# Altium PCB UCL-CPUM-H7-2.PcbDoc (part 2 of 4)
Units mm, origin at the board's own origin, x right, y up, seen from the top; angles counter-clockwise.
Board outline 42 x 53 mm, 6 copper layers (Top Layer, L2_GND, L3_VCC, L4_Sig, L5_GND, Bottom Layer), stack 1.657 mm thick; 92 components, 176 nets, 471 pads, 255 vias.
Unrouted connection lines stored in the file: 34.
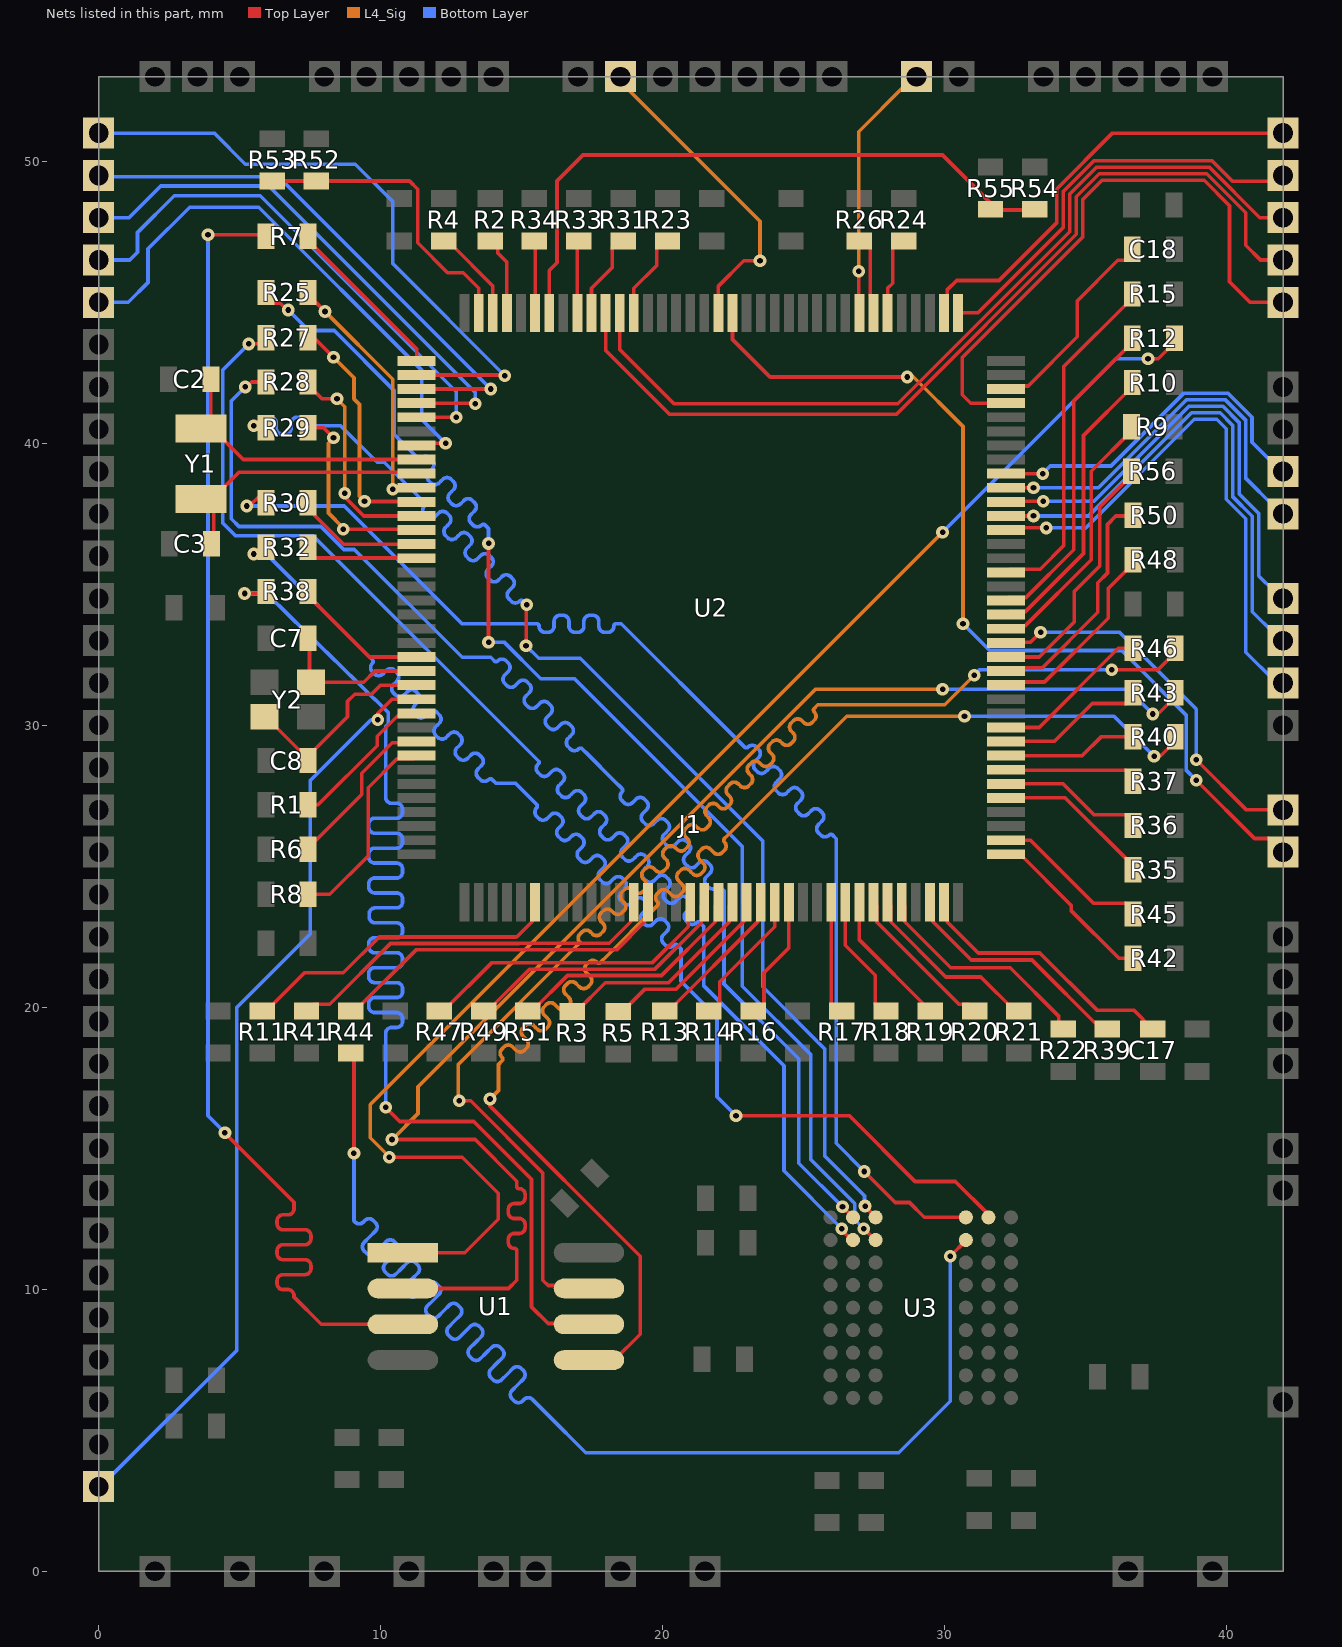
[diagram p6: the nets of this part, all layers, seen from the top]

## Via types
v1: diameter 0.4/0.45/0.4 (per signal layer), hole 0.2, Top Layer to Bottom Layer, 253 vias
v2: diameter 0.8, hole 0.4, Top Layer to Bottom Layer, 2 vias

## Nets (pads, with @x,y where several pads share a name; then routed paths per layer and width w, separated by ;. In a path a pad name is that pad's centre, name@x,y a point inside that pad or via, vN(x,y) a via of type N, cw(c..) or ccw(c..) an arc to the next point about the centre after c; other vN are vias at no path point) (continued)
GPIO5: J1.34 U2.96 | length 19.4
  Top Layer w0.13: U2.96@32.175,36.925 32.2,36.925 32.275,37 v1(33.6,37)
  Bottom Layer w0.13: v1(33.6,37) 33.6,36.975 33.65,36.925 33.65,36.948 33.702,37 35.001,37 38.851,40.85 39.65,40.85 39.98,40.52 39.98,38.02 40.68,37.32 40.68,32.595 41.685,31.59 J1.34@41.685,31.5
GPIO6: J1.33 U2.97 | length 18
  Top Layer w0.13: U2.97@32.175,37.425 v1(33.15,37.425)
  Bottom Layer w0.13: v1(33.15,37.425) 35.101,37.425 38.756,41.08 39.77,41.08 40.21,40.64 40.21,38.116 40.91,37.416 40.91,34.028 41.685,33.253 J1.33@41.685,32.95
GPIO7: J1.32 U2.98 | length 16.7
  Top Layer w0.13: U2.98@32.175,37.925 32.275,37.925 32.3,37.95 v1(33.5,37.95)
  Bottom Layer w0.13: v1(33.5,37.95) 35.301,37.95 38.661,41.31 39.865,41.31 40.44,40.735 40.44,38.211 41.14,37.511 41.14,35.298 41.685,34.753 J1.32@41.685,34.5
GPIO8: J1.83 U2.7 | length 19.7
  Top Layer w0.13: U2.7@11.275,39.925 11.275,39.875 11.3,39.85 11.45,40 v1(12.3,40)
  Bottom Layer w0.13: J1.83@0.315,45 1.05,45 1.75,45.7 1.75,46.9 3.225,48.375 5.675,48.375 11.45,42.6 11.45,40.85 v1(12.3,40)
GPIO9: J1.16 U2.116 | length 9.2
  Top Layer w0.13: v1(26.95,46.1) 26.95,44.625 U2.116@26.975,44.625
  L4_Sig w0.13: v1(26.95,46.1) 26.95,51.05 28.585,52.685 J1.16@29,52.685
GPIO10: J1.87 U2.2 | length 22.1
  Top Layer w0.13: U2.2@11.275,42.425 14.375,42.425 v1(14.4,42.4)
  Bottom Layer w0.13: J1.87@0.315,51 4.1,51 5.2,49.9 9.1,49.9 10.425,48.575 10.425,46.375 v1(14.4,42.4)
GPIO11: J1.86 U2.3 | length 19.3
  Top Layer w0.13: U2.3@11.275,41.925 v1(13.9,41.925)
  Bottom Layer w0.13: J1.86@0.315,49.5 0.365,49.45 6.375,49.45 v1(13.9,41.925)
GPIO12: J1.85 U2.4 | length 19
  Top Layer w0.13: U2.4@11.275,41.425 13.325,41.425 v1(13.35,41.4)
  Bottom Layer w0.13: J1.85@0.315,48 1.075,48 2.2,49.125 6.025,49.125 13.35,41.8 v1(13.35,41.4)
GPIO13: J1.84 U2.5 | length 18.9
  Top Layer w0.13: U2.5@11.275,40.925 11.25,40.925 v1(12.675,40.925)
  Bottom Layer w0.13: J1.84@0.315,46.5 1.1,46.5 1.375,46.775 1.375,47.475 2.675,48.775 5.725,48.775 12.675,41.825 v1(12.675,40.925)
GPIO14: J1.37 U2.125 | length 33.3
  Top Layer w0.13: U2.125@22.475,44.625 22.475,43.683 23.808,42.35 v1(28.675,42.35) ; v1(38.925,28.05) 40.99,25.985 41.515,25.985 J1.37@42,25.5
  L4_Sig w0.13: v1(28.675,42.35) 28.717,42.392 28.842,42.392 28.85,42.4 30.65,40.6 v1(30.65,33.6)
  Bottom Layer w0.13: v1(30.65,33.6) 31.6,32.65 36.275,32.65 38.56,30.365 38.56,28.415 v1(38.925,28.05)
GPIO15: J1.36 U2.88 | length 13.4
  Top Layer w0.13: U2.88@32.175,32.925 32.175,32.9 32.22,32.945 33.045,32.945 v1(33.4,33.3) ; v1(38.925,28.775) 40.7,27 J1.36@41.685,27
  Bottom Layer w0.13: v1(33.4,33.3) 36.2,33.3 38.925,30.575 v1(38.925,28.775)
GPIO16: J1.10 U2.126 | length 11.6
  Top Layer w0.13: U2.126@21.975,44.625 21.975,45.575 22.875,46.475 v1(23.45,46.475)
  L4_Sig w0.13: J1.10@18.5,53 18.5,52.685 18.64,52.685 23.45,47.875 v1(23.45,46.475) 23.45,46.45 v1@23.4,46.4
I2C3_SCL: J1.30 U2.100 | length 12.7
  Top Layer w0.13: U2.100@32.175,38.925 32.35,38.925 v1(33.475,38.925)
  Bottom Layer w0.13: v1(33.475,38.925) 33.745,39.195 35.895,39.195 38.47,41.77 40.056,41.77 40.9,40.926 40.9,40.038 J1.30@41.654,39.284 ; J1.30@41.685,39.315 J1.30@42,39
I2C3_SDA: J1.31 U2.99 | length 13.8
  Top Layer w0.13: U2.99@32.175,38.425 v1(33.15,38.425)
  Bottom Layer w0.13: v1(33.15,38.425) 35.451,38.425 38.566,41.54 39.961,41.54 40.67,40.831 40.67,38.768 41.685,37.753 J1.31@41.685,37.5
JTCK-SWCLK: J1.24 U2.109 | length 14.6
  Top Layer w0.13: U2.109@30.475,44.625 31.175,44.625 34.209,47.659 34.209,48.935 35.289,50.015 39.486,50.015 40.213,49.287 41.565,49.287 41.685,49.408 J1.24@41.685,49.5
JTDI: J1.23 U2.110 | length 15.8
  Top Layer w0.13: U2.110@29.975,44.625 30.085,44.735 30.085,45.435 30.425,45.775 31.925,45.775 33.979,47.829 33.979,49.03 35.949,51 J1.23@42,51
JTDO/TRACESWO: J1.25 U2.133 | length 30.6
  Top Layer w0.13: U2.133@18.475,44.625 18.475,43.325 20.4,41.4 28.333,41.4 34.439,47.506 34.439,48.839 35.384,49.785 39.391,49.785 41.176,48 J1.25@42,48
JTMS-SWDIO: J1.27 U2.105 | length 20.9
  Top Layer w0.13: U2.105@32.175,41.5 U2.105@32.175,41.425 30.925,41.425 30.625,41.725 30.625,43.041 34.899,47.315 34.899,48.649 35.575,49.325 39.2,49.325 40.1,48.425 40.1,45.725 40.825,45 J1.27@41.685,45
MCU_R\S\T\: J1.55 U2.25 | length 33.3
  Top Layer w0.13: v1(9.9,30.2) 9.9,30.425 10.4,30.925 10.665,30.925 10.665,30.815 10.775,30.925 U2.25@11.275,30.925
  Bottom Layer w0.13: J1.55@0.315,3 0.315,3.253 4.9,7.838 4.9,20 7.5,22.6 7.5,28.041 9.659,30.2 v1(9.9,30.2)
NetC2_2: C2.2 U2.8 Y1.2 | length 9.5
  Top Layer w0.13: C2.2@3.975,42.275 3.975,40.575 5.125,39.425 U2.8@11.275,39.425
NetC3_2: C3.2 U2.9 Y1.1 | length 9.4
  Top Layer w0.13: C3.2@4,36.435 4.015,36.435 4.075,36.375 4.075,37.975 4.025,38.025 4.975,38.975 11.225,38.975 U2.9@11.275,38.925
NetC7_2: C7.2 U2.23 Y2.1 | length 5.5
  Top Layer w0.13: C7.2@7.425,33.086 7.475,33.036 7.475,31.575 Y2.1@7.525,31.525 9.4,31.525 9.8,31.925 U2.23@11.275,31.925
NetC8_2: C8.2 U2.24 Y2.3 | length 7.5
  Top Layer w0.13: Y2.3@5.875,30.3 5.9,30.3 6,30.2 6.025,30.2 7.09,29.135 7.19,29.135 C8.2@7.425,28.9 ; C8.2@7.425,28.75 C8.2@7.425,28.9 ; U2.24@11.275,31.425 10,31.425 9.675,31.1 9.075,31.1 8.825,30.85 8.825,30.3 C8.2@7.425,28.9
NetC17_2: C17.2 U2.71 | length 9.6
  Top Layer w0.13: U2.71@29.975,23.725 30.085,23.615 30.085,23.032 31.192,21.925 33.375,21.925 35.4,19.9 36.7,19.9 C17.2@37.375,19.225
NetC18_2: C18.2 U2.106 | length 7.4
  Top Layer w0.13: U2.106@32.175,41.925 32.285,42.035 32.96,42.035 34.7,43.775 34.7,45.05 36.14,46.49 36.415,46.49 36.65,46.725 C18.2@36.65,46.875
NetR1_1: R1.1 U2.26 | length 5.3
  Top Layer w0.13: R1.1@7.525,27.18 7.78,27.18 9.875,29.275 9.875,29.608 10.692,30.425 U2.26@11.275,30.425
NetR2_2: R2.2 U2.141 | length 2.8
  Top Layer w0.13: R2.2@13.88,47.175 13.915,47.175 14.15,46.94 14.15,46.75 14.475,46.425 U2.141@14.475,44.625
NetR3_1: R3.1 U2.56 | length 7.6
  Top Layer w0.13: R3.1@16.791,19.85 16.941,19.85 17.966,20.875 20.208,20.875 22.365,23.032 22.365,23.615 U2.56@22.475,23.725
NetR4_2: R4.2 U2.142 | length 3.5
  Top Layer w0.13: R4.2@12.23,47.175 12.23,47.13 12.175,47.075 12.23,47.075 12.48,47.075 13.975,45.58 U2.142@13.975,44.625
NetR5_1: R5.1 U2.57 | length 6.5
  Top Layer w0.13: R5.1@18.425,19.85 18.575,19.85 19.37,20.645 20.478,20.645 22.865,23.032 22.865,23.615 U2.57@22.975,23.725
NetR6_1: R6.1 U2.28 | length 5.9
  Top Layer w0.13: R6.1@7.525,25.6 7.525,25.75 9.325,27.55 9.325,28.3 10.405,29.38 11.23,29.38 U2.28@11.275,29.425
NetR7_2: R7.2 U2.1 | length 6
  Top Layer w0.13: R7.2@7.425,47.345 7.425,47.195 11.275,43.345 U2.1@11.275,42.925
NetR8_1: R8.1 U2.29 | length 7.2
  Top Layer w0.13: R8.1@7.55,24.005 8.195,24.005 9.555,25.364 9.555,27.788 10.582,28.815 11.165,28.815 U2.29@11.275,28.925
NetR9_1: R9.1 U2.89 | length 9.3
  Top Layer w0.13: U2.89@32.175,33.425 32.363,33.425 32.473,33.535 32.868,33.535 35.2,35.867 35.2,39.011 36.625,40.436 R9.1@36.625,40.586
NetR10_1: R10.1 U2.90 | length 10.4
  Top Layer w0.13: U2.90@32.175,33.925 32.285,34.035 32.868,34.035 34.925,36.092 34.925,40.281 36.65,42.006 R10.1@36.65,42.156
NetR11_2: R11.2 U2.42 | length 11.6
  Top Layer w0.13: R11.2@5.799,19.875 5.949,19.875 7.299,21.225 8.675,21.225 9.945,22.495 14.794,22.495 14.799,22.5 14.833,22.5 15.365,23.032 15.365,23.615 U2.42@15.475,23.725
NetR12_1: R12.1 U2.91 | length 11.6
  Top Layer w0.13: U2.91@32.175,34.425 32.15,34.425 32.26,34.535 32.885,34.535 34.575,36.225 34.575,41.501 36.65,43.576 R12.1@36.65,43.726
NetR13_2: R13.2 U2.58 | length 5.3
  Top Layer w0.13: R13.2@20.068,19.875 20.218,19.875 23.365,23.022 23.365,23.615 U2.58@23.475,23.725
NetR14_2: R14.2 U2.59 | length 4.9
  Top Layer w0.13: R14.2@21.638,19.875 21.788,19.875 22.023,20.11 22.023,20.903 23.975,22.855 U2.59@23.975,23.725
NetR15_1: R15.1 U2.93 | length 12.4
  Top Layer w0.13: U2.93@32.175,35.425 32.285,35.535 33.385,35.535 34.225,36.375 34.225,42.722 36.65,45.147 R15.1@36.65,45.297
NetR16_2: R16.2 U2.60 | length 4.5
  Top Layer w0.13: R16.2@23.208,19.875 23.358,19.875 23.593,20.11 23.593,21.227 24.475,22.108 U2.60@24.475,23.725
NetR17_2: R17.2 U2.63 | length 4.1
  Top Layer w0.13: U2.63@25.975,23.725 25.975,20.11 26.26,19.825 26.325,19.825 26.349,19.849 R17.2@26.349,19.875
NetR18_2: R18.2 U2.64 | length 4.5
  Top Layer w0.13: U2.64@26.475,23.725 26.475,22.197 27.534,21.138 27.534,20.11 27.769,19.875 R18.2@27.919,19.875
NetR19_2: R19.2 U2.65 | length 4.9
  Top Layer w0.13: U2.65@26.975,23.725 26.975,22.389 R19.2@29.489,19.875
NetR20_2: R20.2 U2.66 | length 5.6
  Top Layer w0.13: U2.66@27.475,23.725 27.585,23.615 27.585,23.032 30.507,20.11 30.824,20.11 R20.2@31.059,19.875 31.059,19.909 R20.2@31.125,19.975
NetR21_2: R21.2 U2.67 | length 6.6
  Top Layer w0.13: U2.67@27.975,23.725 28.085,23.615 28.085,23.032 30.042,21.075 31.28,21.075 32.48,19.875 R21.2@32.63,19.875
NetR22_2: R22.2 U2.68 | length 8.1
  Top Layer w0.13: U2.68@28.475,23.725 28.585,23.615 28.585,23.032 30.217,21.4 32.325,21.4 34.05,19.675 34.05,19.375 R22.2@34.2,19.225
NetR23_1: R23.1 U2.132 | length 3.1
  Top Layer w0.13: U2.132@18.975,44.625 18.975,45.495 19.785,46.305 19.785,46.94 20.02,47.175 R23.1@20.17,47.175
NetR24_1: R24.1 U2.114 | length 2.9
  Top Layer w0.13: U2.114@27.975,44.625 27.975,45.495 28.16,45.68 28.16,46.94 28.395,47.175 R24.1@28.545,47.175
NetR25_2: R25.2 U2.10 | length 9.3
  Top Layer w0.13: R25.2@7.375,45.35 7.35,45.35 7.275,45.275 7.425,45.275 v1(8.025,44.675) ; v1(10.425,38.375) 10.475,38.425 U2.10@11.275,38.425
  L4_Sig w0.13: v1(8.025,44.675) 10.425,42.275 v1(10.425,38.375)
NetR26_1: R26.1 U2.115 | length 2.8
  Top Layer w0.13: R26.1@26.975,47.175 27.125,47.175 27.36,46.94 27.36,45.24 27.475,45.125 U2.115@27.475,44.625
NetR27_2: R27.2 U2.11 | length 8.6
  Top Layer w0.13: R27.2@7.45,43.75 7.625,43.75 v1(8.325,43.05) ; v1(9.425,37.95) 9.438,37.937 11.263,37.937 U2.11@11.275,37.925
  L4_Sig w0.13: v1(8.325,43.05) 9.05,42.325 9.05,41.575 9.25,41.375 9.25,38.125 v1(9.425,37.95)
NetR28_2: R28.2 U2.12 | length 7.7
  Top Layer w0.13: R28.2@7.475,42.175 7.475,42.025 7.925,41.575 v1(8.45,41.575) ; v1(8.725,38.225) 8.725,38.094 9.394,37.425 U2.12@11.275,37.425
  L4_Sig w0.13: v1(8.45,41.575) 8.725,41.3 v1(8.725,38.225)
NetR29_2: R29.2 U2.13 | length 7.2
  Top Layer w0.13: R29.2@7.5,40.55 7.975,40.55 v1(8.325,40.2) ; v1(8.675,36.95) 11.25,36.95 U2.13@11.275,36.925
  L4_Sig w0.13: v1(8.325,40.2) v1@8.35,40.2 ; v1@8.375,40.225 8.367,40.217 v1@8.35,40.2 ; v1(8.675,36.95) 8.675,37 8.15,37.525 8.15,40 v1@8.35,40.2
NetR30_2: R30.2 U2.14 | length 4.6
  Top Layer w0.13: R30.2@7.425,37.886 7.425,37.684 8.684,36.425 U2.14@11.275,36.425
NetR31_2: R31.2 U2.135 | length 3.1
  Top Layer w0.13: U2.135@17.475,44.625 17.475,45.495 18.215,46.235 18.215,46.94 18.45,47.175 R31.2@18.6,47.175
NetR32_2: R32.2 U2.15 | length 4.1
  Top Layer w0.13: R32.2@7.45,36.316 7.45,36.166 7.685,35.931 11.27,35.931 U2.15@11.275,35.925
NetR33_2: R33.2 U2.136 | length 2.6
  Top Layer w0.13: U2.136@16.975,44.625 16.975,47.13 R33.2@17.02,47.175
NetR34_2: R34.2 U2.139 | length 2.6
  Top Layer w0.13: R34.2@15.45,47.175 15.475,47.175 U2.139@15.475,44.625
NetR35_1: R35.1 U2.77 | length 5.6
  Top Layer w0.13: U2.77@32.175,27.425 34.278,27.425 36.675,25.028 R35.1@36.675,24.878
NetR36_1: R36.1 U2.78 | length 5.2
  Top Layer w0.13: U2.78@32.175,27.925 34.197,27.925 35.288,26.834 36.44,26.834 36.675,26.599 R36.1@36.675,26.449
NetR37_1: R37.1 U2.79 | length 4.8
  Top Layer w0.13: U2.79@32.175,28.425 32.196,28.404 36.44,28.404 36.675,28.169 R37.1@36.675,28.019
NetR38_2: R38.2 U2.22 | length 4.9
  Top Layer w0.13: R38.2@7.425,34.745 7.425,34.595 9.595,32.425 U2.22@11.275,32.425
NetR39_2: R39.2 U2.70 | length 8.5
  Top Layer w0.13: U2.70@29.475,23.725 29.585,23.615 29.585,23.032 30.942,21.675 33.1,21.675 35.55,19.225 R39.2@35.77,19.225
NetR40_1: R40.1 U2.80 | length 4.8
  Top Layer w0.13: U2.80@32.175,28.925 34.875,28.925 35.539,29.589 R40.1@36.675,29.589
NetR41_2: R41.2 U2.49 | length 13.5
  Top Layer w0.13: R41.2@7.369,19.875 7.604,20.11 8.191,20.11 10.346,22.265 14.889,22.265 14.894,22.27 16.139,22.27 16.144,22.275 18.108,22.275 18.865,23.032 18.865,23.615 U2.49@18.975,23.725
NetR42_2: R42.2 U2.73 | length 6.1
  Top Layer w0.13: U2.73@32.175,25.425 32.675,25.425 34.483,23.618 34.483,23.435 36.18,21.738 R42.2@36.675,21.738
NetR43_1: R43.1 U2.81 | length 5.3
  Top Layer w0.13: U2.81@32.175,29.425 32.184,29.434 33.892,29.434 35.232,30.774 36.44,30.774 36.55,30.884 36.55,31.1 36.609,31.159 R43.1@36.675,31.159
NetR44_2: R44.2 U2.50 | length 12.5
  Top Layer w0.13: R44.2@8.939,19.875 9.089,19.875 11.249,22.035 14.984,22.035 14.989,22.04 16.234,22.04 16.239,22.045 18.378,22.045 19.365,23.032 19.365,23.615 U2.50@19.475,23.725
NetR45_2: R45.2 U2.74 | length 5.7
  Top Layer w0.13: U2.74@32.175,25.925 33.045,25.925 35.277,23.693 36.44,23.693 36.675,23.458 R45.2@36.675,23.308
NetR46_1: R46.1 U2.82 | length 5.7
  Top Layer w0.13: U2.82@32.175,29.925 33.35,29.925 36.155,32.73 R46.1@36.675,32.73
NetR47_2: R47.2 U2.53 | length 11
  Top Layer w0.13: R47.2@12.08,19.875 12.23,19.875 13.93,21.575 15.175,21.575 15.18,21.58 16.425,21.58 16.43,21.585 19.635,21.585 20.905,22.855 20.905,23.655 U2.53@20.975,23.725
NetR48_1: R48.1 U2.85 | length 7.2
  Top Layer w0.13: U2.85@32.275,31.4 32.25,31.425 U2.85@32.175,31.425 32.212,31.463 32.285,31.535 33.535,31.535 35.8,33.8 35.8,34.85 36.675,35.725 R48.1@36.675,35.875
NetR49_2: R49.2 U2.54 | length 9.8
  Top Layer w0.13: R49.2@13.65,19.875 13.8,19.875 15.275,21.35 16.52,21.35 16.525,21.355 19.731,21.355 21.365,22.989 21.365,23.615 U2.54@21.475,23.725
NetR50_1: R50.1 U2.86 | length 8.4
  Top Layer w0.13: U2.86@32.175,31.925 32.285,32.035 33.46,32.035 35.43,34.005 35.43,35.055 35.775,35.4 35.775,37.125 36.07,37.42 36.65,37.42 R50.1@36.675,37.445
NetR51_2: R51.2 U2.55 | length 8.7
  Top Layer w0.13: R51.2@15.22,19.875 15.37,19.875 16.62,21.125 19.958,21.125 21.865,23.032 21.865,23.615 U2.55@21.975,23.725
NetR52_1: R52.1 R53.2 U2.143 | length 10.9
  Top Layer w0.13: R53.2@6.15,49.3 R52.1@7.72,49.3 11.018,49.3 11.31,49.008 11.31,47.111 12.371,46.05 12.925,46.05 13.475,45.5 U2.143@13.475,44.625
NetR54_1: R54.1 R55.2 U2.138 | length 23.2
  Top Layer w0.13: U2.138@15.975,44.625 15.975,46.125 16.25,46.4 16.25,49.3 17.175,50.225 29.925,50.225 R55.2@31.875,48.275 ; R55.2@31.9,48.275 R54.1@33.47,48.275
NetR56_1: R56.1 U2.87 | length 9.1
  Top Layer w0.13: U2.87@32.175,32.425 33.35,32.425 34.6,33.675 34.6,34.75 35.5,35.65 35.5,37.741 36.625,38.866 R56.1@36.625,39.016
NJTRST: J1.26 U2.134 | length 32.5
  Top Layer w0.13: U2.134@17.975,44.625 17.975,43.3 20.25,41.025 28.284,41.025 34.669,47.41 34.669,48.744 35.48,49.555 39.295,49.555 40.675,48.175 40.675,47.025 41.2,46.5 J1.26@42,46.5
"QUADSPI_ BK1_IO0": R40.2 U1.5 | length 50.3
  Top Layer w0.13: v1(13.875,16.75) 13.875,16.5 19.2,11.175 19.2,8.405 18.285,7.49 U1.5@17.385,7.49 ; v1(37.425,28.9) 37.467,28.942 37.678,28.942 38.175,29.439 R40.2@38.175,29.589
  L4_Sig w0.13: v1(13.875,16.75) 14.175,17.05 14.175,17.975 14.3,18.1 ccw(c14.238,18.162) 14.3,18.225 cw(c14.45,18.375) 14.3,18.524 14.375,18.599 cw(c14.525,18.449) 14.675,18.599 14.737,18.537 14.799,18.475 ccw(c14.949,18.625) 15.099,18.475 15.174,18.55 ccw(c15.024,18.7) 15.174,18.85 15.112,18.912 15.05,18.974 cw(c15.2,19.124) 15.05,19.274 15.125,19.349 cw(c15.275,19.199) 15.424,19.349 15.487,19.287 15.549,19.224 ccw(c15.699,19.374) 15.849,19.224 15.924,19.299 ccw(c15.774,19.449) 15.924,19.599 15.861,19.661 15.799,19.724 cw(c15.949,19.874) 15.799,20.023 15.874,20.098 cw(c16.024,19.949) 16.174,20.098 16.236,20.036 16.298,19.974 ccw(c16.448,20.124) 16.598,19.974 16.673,20.049 ccw(c16.523,20.199) 16.673,20.349 16.611,20.411 16.549,20.473 cw(c16.699,20.623) 16.549,20.773 16.624,20.848 cw(c16.774,20.698) 16.924,20.848 16.986,20.786 17.048,20.724 ccw(c17.198,20.873) 17.348,20.724 17.423,20.798 ccw(c17.273,20.948) 17.423,21.098 17.361,21.161 17.298,21.223 cw(c17.448,21.373) 17.298,21.523 17.373,21.597 cw(c17.523,21.448) 17.673,21.597 ccw(c17.735,21.66) 17.797,21.597 18.05,21.85 19.687,23.487 19.813,23.613 ccw(c19.75,23.675) 19.813,23.737 cw(c19.963,23.887) 19.813,24.037 19.888,24.112 cw(c20.038,23.962) 20.187,24.112 20.25,24.05 20.312,23.987 ccw(c20.462,24.137) 20.612,23.987 20.687,24.062 ccw(c20.537,24.212) 20.687,24.362 20.624,24.424 20.562,24.487 cw(c20.712,24.637) 20.562,24.786 20.637,24.861 cw(c20.787,24.711) 20.937,24.861 20.999,24.799 21.061,24.737 ccw(c21.211,24.887) 21.361,24.737 21.436,24.812 ccw(c21.286,24.962) 21.436,25.112 21.374,25.174 21.312,25.236 cw(c21.462,25.386) 21.312,25.536 21.387,25.611 cw(c21.537,25.461) 21.686,25.611 21.749,25.549 21.811,25.486 ccw(c21.961,25.636) 22.111,25.486 22.186,25.561 ccw(c22.036,25.711) 22.186,25.861 cw(c22.248,25.923) 22.186,25.986 22.288,26.088 26.525,30.325 v1(30.7,30.325)
  Bottom Layer w0.13: v1(30.7,30.325) 36,30.325 v1(37.425,28.9)
"QUADSPI_ BK1_IO1": R43.2 U1.2 | length 50
  Top Layer w0.13: v1(10.4,15.31) 13.35,15.31 14.825,13.835 14.825,13.653 ccw(c14.908,13.653) 14.908,13.57 cw(c14.908,13.358) 15.12,13.358 15.12,13.252 cw(c14.908,13.252) 14.908,13.04 14.825,13.04 14.737,13.04 ccw(c14.737,12.828) 14.525,12.828 14.525,12.722 ccw(c14.737,12.722) 14.737,12.51 14.825,12.51 14.908,12.51 cw(c14.908,12.298) 15.12,12.298 15.12,12.192 cw(c14.908,12.192) 14.908,11.98 14.825,11.98 14.737,11.98 ccw(c14.737,11.768) 14.525,11.768 14.525,11.662 ccw(c14.737,11.662) 14.737,11.45 cw(c14.737,11.362) 14.825,11.362 14.825,11.075 14.825,10.325 14.53,10.03 U1.2@10.785,10.03 ; v1(37.375,30.4) 37.417,30.442 37.608,30.442 38.175,31.009 R43.2@38.175,31.159
  L4_Sig w0.13: v1@10.4,15.325 10.415,15.325 11.325,16.235 11.325,17.181 25.419,31.275 v1(29.925,31.275)
  Bottom Layer w0.13: v1(29.925,31.275) 36.5,31.275 v1(37.375,30.4)
"QUADSPI_ BK1_IO2": R7.1 U1.3 | length 50.2
  Top Layer w0.13: v1(3.875,47.4) 5.87,47.4 R7.1@5.925,47.345 ; v1(4.475,15.55) 4.475,15.535 6.843,13.168 6.925,13.085 6.925,12.852 cw(c6.713,12.852) 6.713,12.64 6.537,12.64 ccw(c6.537,12.428) 6.325,12.428 6.325,12.322 ccw(c6.537,12.322) 6.537,12.11 6.925,12.11 7.313,12.11 cw(c7.313,11.898) 7.525,11.898 7.525,11.792 cw(c7.313,11.792) 7.313,11.58 6.925,11.58 6.537,11.58 ; 6.537,11.58 ccw(c6.537,11.368) 6.325,11.368 6.325,11.262 ccw(c6.537,11.262) 6.537,11.05 6.925,11.05 7.313,11.05 cw(c7.313,10.838) 7.525,10.838 7.525,10.732 cw(c7.313,10.732) 7.313,10.52 6.925,10.52 6.537,10.52 ccw(c6.537,10.308) 6.325,10.308 6.325,10.202 ccw(c6.537,10.202) 6.537,9.99 6.713,9.99 cw(c6.713,9.778) 6.925,9.778 6.925,9.725 7.89,8.76 U1.3@10.785,8.76
  Bottom Layer w0.13: v1(3.875,47.4) 3.875,16.15 v1(4.475,15.55)
"QUADSPI_ BK1_IO3": R46.2 U1.7 | length 49.8
  Top Layer w0.13: v1(12.782,16.685) 13.19,16.685 15.75,14.125 15.75,10.325 15.94,10.135 17.281,10.135 U1.7@17.385,10.03 ; v1(35.925,31.975) 37.57,31.975 38.175,32.58 R46.2@38.175,32.73
  L4_Sig w0.13: v1(12.782,16.685) 12.75,16.718 12.75,17.975 16.85,22.075 17.068,22.293 17.065,22.296 cw(c17.215,22.446) 17.065,22.595 17.14,22.67 cw(c17.29,22.521) 17.44,22.67 17.443,22.668 17.505,22.605 ccw(c17.655,22.755) 17.805,22.605 17.88,22.68 ccw(c17.73,22.83) 17.88,22.98 17.817,23.042 17.814,23.045 cw(c17.964,23.195) 17.814,23.345 17.889,23.42 cw(c18.039,23.27) 18.189,23.42 18.192,23.417 18.254,23.355 ccw(c18.404,23.505) 18.554,23.355 18.629,23.43 ccw(c18.479,23.58) 18.629,23.73 18.567,23.792 18.564,23.795 cw(c18.714,23.945) 18.564,24.095 18.639,24.17 cw(c18.789,24.02) 18.939,24.17 18.942,24.167 19.004,24.104 ccw(c19.154,24.254) 19.304,24.104 19.379,24.179 ccw(c19.229,24.329) 19.379,24.479 19.316,24.541 19.313,24.544 cw(c19.463,24.694) 19.313,24.844 19.388,24.919 cw(c19.538,24.769) 19.688,24.919 19.691,24.916 19.753,24.854 ccw(c19.903,25.004) 20.053,24.854 20.128,24.929 ccw(c19.978,25.079) 20.128,25.229 20.066,25.291 20.063,25.294 cw(c20.213,25.444) 20.063,25.594 20.138,25.669 cw(c20.288,25.519) 20.438,25.669 20.441,25.666 20.503,25.603 ccw(c20.653,25.753) 20.803,25.603 20.878,25.678 ccw(c20.728,25.828) 20.878,25.978 20.815,26.04 20.813,26.043 cw(c20.962,26.193) 20.813,26.343 20.887,26.418 cw(c21.037,26.268) 21.187,26.418 21.19,26.415 21.252,26.353 ccw(c21.402,26.503) 21.552,26.353 21.627,26.428 ccw(c21.477,26.578) 21.627,26.728 21.565,26.79 21.562,26.793 cw(c21.712,26.943) 21.562,27.093 21.637,27.168 cw(c21.787,27.018) 21.937,27.168 21.94,27.165 22.002,27.103 ccw(c22.152,27.252) 22.302,27.103 22.377,27.177 ccw(c22.227,27.327) 22.377,27.477 22.314,27.539 22.312,27.542 cw(c22.461,27.692) 22.312,27.842 22.387,27.917 cw(c22.536,27.767) 22.686,27.917 22.689,27.914 22.751,27.852 ccw(c22.901,28.002) 23.051,27.852 23.126,27.927 ccw(c22.976,28.077) 23.126,28.227 23.064,28.289 23.061,28.292 cw(c23.211,28.442) 23.061,28.592 23.136,28.667 cw(c23.286,28.517) 23.436,28.667 23.439,28.664 23.501,28.602 ccw(c23.651,28.751) 23.801,28.602 23.876,28.677 ccw(c23.726,28.826) 23.876,28.976 23.814,29.039 23.811,29.041 cw(c23.961,29.191) 23.811,29.341 23.886,29.416 cw(c24.036,29.266) 24.185,29.416 24.188,29.413 24.251,29.351 ccw(c24.4,29.501) 24.55,29.351 24.625,29.426 ccw(c24.475,29.576) 24.625,29.726 24.563,29.788 24.56,29.791 cw(c24.71,29.941) 24.56,30.091 24.635,30.166 cw(c24.785,30.016) 24.935,30.166 24.938,30.163 25,30.101 ccw(c25.15,30.251) 25.3,30.101 25.375,30.176 ccw(c25.225,30.325) 25.375,30.475 cw(c25.437,30.538) 25.375,30.6 25.5,30.725 30,30.725 v1(31.05,31.775)
  Bottom Layer w0.13: v1(31.05,31.775) 31.25,31.975 v1(35.925,31.975)
"QUADSPI_ BK1_NCS": R12.2 U1.1 | length 51.2
  Top Layer w0.13: v1(10.3,14.685) 12.89,14.685 14.165,13.41 14.165,12.488 12.977,11.3 U1.1@10.785,11.3 ; v1(37.211,42.997) 37.571,42.997 38.15,43.576 R12.2@38.15,43.726
  L4_Sig w0.13: v1@10.3,14.7 9.625,15.375 9.625,16.55 9.835,16.76 v1(29.925,36.85)
  Bottom Layer w0.13: v1(29.925,36.85) 34.502,41.427 36.072,42.997 v1(37.211,42.997)
"QUADSPI_ CLK": R38.1 U1.6 | length 49.7
  Top Layer w0.13: v1(5.173,34.673) 5.852,34.673 R38.1@5.925,34.745 ; v1(10.175,16.46) 10.175,16.45 10.675,15.95 13.3,15.95 15.35,13.9 15.35,9.375 15.94,8.785 17.361,8.785 U1.6@17.385,8.76
  Bottom Layer w0.13: v1(5.173,34.673) 5.953,34.673 10.175,30.547 10.265,30.457 10.265,30.049 10.175,29.959 10.175,27.5 10.175,27.447 ccw(c10.387,27.447) 10.387,27.235 10.563,27.235 cw(c10.563,27.023) 10.775,27.023 10.775,26.917 cw(c10.563,26.917) 10.563,26.705 10.175,26.705 9.787,26.705 ccw(c9.787,26.493) 9.575,26.493 9.575,26.387 ccw(c9.787,26.387) 9.787,26.175 10.175,26.175 10.563,26.175 cw(c10.563,25.963) 10.775,25.963 10.775,25.857 cw(c10.563,25.857) 10.563,25.645 10.175,25.645 9.787,25.645 ccw(c9.787,25.433) 9.575,25.433 9.575,25.327 ccw(c9.787,25.327) 9.787,25.115 10.175,25.115 10.563,25.115 cw(c10.563,24.903) 10.775,24.903 10.775,24.797 cw(c10.563,24.797) 10.563,24.585 10.175,24.585 9.787,24.585 ccw(c9.787,24.373) 9.575,24.373 9.575,24.267 ccw(c9.787,24.267) 9.787,24.055 10.175,24.055 10.563,24.055 cw(c10.563,23.843) 10.775,23.843 10.775,23.737 cw(c10.563,23.737) 10.563,23.525 10.175,23.525 9.804,23.525 ccw(c9.804,23.313) 9.592,23.313 9.592,23.207 ccw(c9.804,23.207) 9.804,22.995 10.175,22.995 10.563,22.995 cw(c10.563,22.783) 10.775,22.783 10.775,22.677 cw(c10.563,22.677) 10.563,22.465 10.175,22.465 9.787,22.465 ccw(c9.787,22.253) 9.575,22.253 9.575,22.147 ccw(c9.787,22.147) 9.787,21.935 10.175,21.935 10.563,21.935 cw(c10.563,21.723) 10.775,21.723 10.775,21.617 cw(c10.563,21.617) 10.563,21.405 10.175,21.405 9.787,21.405 ccw(c9.787,21.193) 9.575,21.193 9.575,21.087 ccw(c9.787,21.087) 9.787,20.875 10.175,20.875 10.563,20.875 cw(c10.563,20.663) 10.775,20.663 10.775,20.557 cw(c10.563,20.557) 10.563,20.345 10.175,20.345 9.787,20.345 ccw(c9.787,20.133) 9.575,20.133 9.575,20.027 ccw(c9.787,20.027) 9.787,19.815 10.175,19.815 10.563,19.815 cw(c10.563,19.603) 10.775,19.603 10.775,19.497 cw(c10.563,19.497) 10.563,19.285 10.385,19.285 ccw(c10.385,19.075) 10.175,19.075 v1(10.175,16.46)
SDRAM_A0: R25.1 U3.H7 | length 46.7
  Top Layer w0.13: R25.1@5.925,45.35 5.925,45.2 6.16,44.965 6.442,44.965 6.682,44.725 v1(6.725,44.725) ; v1(13.825,32.95) v1(13.825,36.45) ; v1(27.128,12.15) 27.138,12.15 27.538,11.75 U3.H7@27.55,11.75
  Bottom Layer w0.13: v1(6.725,44.725) 7.45,44 8.35,44 10.475,41.875 10.475,40.325 11.175,39.625 11.327,39.473 ccw(c11.389,39.535) 11.451,39.473 cw(c11.601,39.323) 11.751,39.473 11.826,39.398 cw(c11.676,39.248) 11.826,39.098 11.764,39.036 11.702,38.974 ccw(c11.851,38.824) 11.702,38.674 ; 11.702,38.674 11.777,38.599 ccw(c11.926,38.749) 12.076,38.599 12.139,38.661 12.201,38.724 cw(c12.351,38.574) 12.501,38.724 12.576,38.649 ; 12.576,38.349 ccw(c12.426,38.499) 12.576,38.649 ; 12.576,38.349 12.513,38.287 12.451,38.224 ccw(c12.601,38.075) 12.451,37.925 12.526,37.85 ccw(c12.676,38) 12.826,37.85 12.888,37.912 12.95,37.974 cw(c13.1,37.824) 13.25,37.974 13.325,37.899 cw(c13.175,37.749) 13.325,37.599 13.263,37.537 13.201,37.475 ccw(c13.351,37.325) 13.201,37.175 13.276,37.1 ccw(c13.425,37.25) 13.575,37.1 cw(c13.638,37.038) 13.7,37.1 13.825,36.975 v1(13.825,36.45) ; v1(13.825,32.95) 14.375,32.95 15.675,31.65 16.875,31.65 22.825,25.7 22.825,20.75 25.25,18.325 25.25,14.6 26.811,13.039 26.811,12.466 v1(27.128,12.15)
SDRAM_A1: R27.1 U3.H8 | length 50
  Top Layer w0.13: v1(5.325,43.525) 5.7,43.525 R27.1@5.925,43.75 ; v1(26.351,12.151) 26.351,12.099 26.7,11.75 U3.H8@26.75,11.75
  Bottom Layer w0.13: v1(5.325,43.525) 4.4,42.6 4.4,37.175 4.85,36.725 7.6,36.725 15.6,28.725 cw(c15.559,28.684) 15.6,28.643 15.579,28.622 ccw(c15.729,28.472) 15.579,28.322 15.654,28.247 ccw(c15.804,28.397) 15.954,28.247 16.016,28.309 16.078,28.371 cw(c16.228,28.221) 16.378,28.371 16.453,28.296 cw(c16.303,28.146) 16.453,27.997 16.391,27.934 16.328,27.872 ccw(c16.478,27.722) 16.328,27.572 16.403,27.497 ccw(c16.553,27.647) 16.703,27.497 16.765,27.56 16.828,27.622 cw(c16.978,27.472) 17.127,27.622 17.202,27.547 cw(c17.053,27.397) 17.202,27.247 17.14,27.185 17.078,27.123 ccw(c17.228,26.973) 17.078,26.823 17.153,26.748 ccw(c17.303,26.898) 17.453,26.748 17.515,26.81 17.577,26.872 cw(c17.727,26.722) 17.877,26.872 17.952,26.797 cw(c17.802,26.647) 17.952,26.497 17.89,26.435 17.828,26.373 ccw(c17.977,26.223) 17.828,26.073 17.902,25.998 ccw(c18.052,26.148) 18.202,25.998 18.264,26.061 18.327,26.123 cw(c18.477,25.973) 18.627,26.123 18.701,26.048 cw(c18.552,25.898) 18.701,25.748 18.639,25.686 18.577,25.624 ccw(c18.727,25.474) 18.577,25.324 18.652,25.249 ccw(c18.802,25.399) 18.952,25.249 19.014,25.311 19.076,25.373 cw(c19.226,25.223) 19.376,25.373 19.451,25.298 cw(c19.301,25.148) 19.451,24.998 19.389,24.936 19.327,24.874 ccw(c19.476,24.724) 19.327,24.574 19.402,24.499 ccw(c19.551,24.649) 19.701,24.499 19.764,24.561 19.826,24.624 cw(c19.976,24.474) 20.126,24.624 20.201,24.549 cw(c20.051,24.399) 20.201,24.249 20.138,24.187 20.076,24.124 ccw(c20.226,23.975) 20.076,23.825 20.151,23.75 ccw(c20.301,23.9) 20.451,23.75 20.513,23.812 20.575,23.874 cw(c20.725,23.724) 20.875,23.874 20.95,23.799 cw(c20.8,23.649) 20.95,23.499 20.888,23.437 20.826,23.375 ccw(c20.976,23.225) 20.826,23.075 20.901,23 ccw(c21.05,23.15) 21.2,23 cw(c21.263,22.938) 21.325,23 21.45,22.875 21.45,20.775 24.3,17.925 24.3,14.202 v1(26.351,12.151)
SDRAM_A2: R28.1 U3.J8 | length 49.1
  Top Layer w0.13: v1(5.2,42) 5.255,42 5.43,42.175 R28.1@5.925,42.175 ; v1(26.375,12.925) U3.J8@26.75,12.55
  Bottom Layer w0.13: v1(5.2,42) 4.7,41.5 4.7,37.325 4.975,37.05 7.875,37.05 8.69,36.235 9.065,36.235 12.89,32.41 13.898,32.41 14.023,32.285 ccw(c14.085,32.347) 14.148,32.285 cw(c14.298,32.135) 14.447,32.285 14.522,32.21 cw(c14.373,32.06) 14.522,31.91 14.46,31.848 14.398,31.786 ; 14.398,31.486 14.473,31.411 ccw(c14.623,31.561) 14.773,31.411 14.835,31.473 14.897,31.535 cw(c15.047,31.385) 15.197,31.535 15.272,31.46 cw(c15.122,31.31) 15.272,31.161 15.21,31.098 15.148,31.036 ccw(c15.297,30.886) 15.148,30.736 15.222,30.661 ccw(c15.372,30.811) 15.522,30.661 15.585,30.724 15.647,30.786 cw(c15.797,30.636) 15.947,30.786 16.022,30.711 cw(c15.872,30.561) 16.022,30.411 15.959,30.349 15.897,30.287 ccw(c16.047,30.137) 15.897,29.987 15.972,29.912 ccw(c16.122,30.062) 16.272,29.912 16.334,29.974 16.396,30.036 cw(c16.546,29.886) 16.696,30.036 16.771,29.961 cw(c16.621,29.811) 16.771,29.661 16.709,29.599 16.647,29.537 ccw(c16.796,29.387) 16.647,29.237 16.722,29.162 ccw(c16.871,29.312) 17.021,29.162 cw(c17.084,29.1) 17.146,29.162 17.329,28.979 18.254,28.054 18.553,27.756 cw(c18.49,27.693) 18.552,27.631 ccw(c18.702,27.481) 18.553,27.331 18.627,27.256 ccw(c18.777,27.406) 18.927,27.256 18.989,27.319 19.052,27.381 cw(c19.202,27.231) 19.352,27.381 19.426,27.306 cw(c19.277,27.156) 19.426,27.006 19.364,26.944 19.302,26.882 ccw(c19.452,26.732) 19.302,26.582 19.377,26.507 ccw(c19.527,26.657) 19.677,26.507 19.739,26.569 19.801,26.631 cw(c19.951,26.481) 20.101,26.631 20.176,26.556 cw(c20.026,26.406) 20.176,26.257 20.114,26.194 20.052,26.132 ccw(c20.201,25.982) 20.052,25.832 20.127,25.757 ccw(c20.276,25.907) 20.426,25.757 20.489,25.82 20.551,25.882 cw(c20.701,25.732) 20.851,25.882 20.926,25.807 cw(c20.776,25.657) 20.926,25.507 20.863,25.445 20.801,25.383 ccw(c20.951,25.233) 20.801,25.083 20.876,25.008 ccw(c21.026,25.158) 21.176,25.008 21.238,25.07 21.3,25.132 cw(c21.45,24.982) 21.6,25.132 21.675,25.057 cw(c21.525,24.907) 21.675,24.757 21.613,24.695 21.551,24.633 ccw(c21.701,24.483) 21.551,24.333 21.626,24.258 ccw(c21.775,24.408) 21.925,24.258 cw(c21.988,24.196) 22.05,24.258 22.175,24.133 22.175,20.825 24.829,18.171 24.829,14.471 v1(26.375,12.925) ; 14.398,31.486 cw(c14.548,31.636) 14.398,31.786
SDRAM_A3: R29.1 U3.J7 | length 45.4
  Top Layer w0.13: v1(5.5,40.625) 5.85,40.625 R29.1@5.925,40.55 ; v1(15.15,32.825) 15.162,32.837 15.162,34.262 v1(15.175,34.275) ; v1(27.176,12.951) 27.176,12.937 27.55,12.563 U3.J7@27.55,12.55
  Bottom Layer w0.13: v1(5.5,40.625) 5.677,40.625 ccw(c5.677,40.713) 5.765,40.713 cw(c5.977,40.713) 5.977,40.925 6.083,40.925 cw(c6.083,40.713) 6.295,40.713 6.295,40.625 6.295,40.537 ccw(c6.507,40.537) 6.507,40.325 6.613,40.325 ccw(c6.613,40.537) 6.825,40.537 6.825,40.625 6.825,40.713 cw(c7.037,40.713) 7.037,40.925 7.143,40.925 cw(c7.143,40.713) 7.355,40.713 ccw(c7.443,40.713) 7.443,40.625 7.525,40.625 8.575,40.625 9.875,39.325 10.125,39.325 11.362,38.088 11.552,37.897 cw(c11.49,37.835) 11.552,37.773 ccw(c11.702,37.623) 11.552,37.473 11.627,37.398 ccw(c11.777,37.548) 11.927,37.398 11.989,37.461 12.052,37.523 cw(c12.202,37.373) 12.352,37.523 12.426,37.448 cw(c12.277,37.298) 12.426,37.148 12.364,37.086 12.302,37.024 ccw(c12.452,36.874) 12.302,36.724 12.377,36.649 ccw(c12.527,36.799) 12.677,36.649 12.739,36.711 12.801,36.773 cw(c12.951,36.623) 13.101,36.773 13.176,36.698 cw(c13.026,36.548) 13.176,36.398 13.114,36.336 13.052,36.274 ccw(c13.201,36.124) 13.052,35.974 13.127,35.899 ccw(c13.276,36.049) 13.426,35.899 13.489,35.961 13.551,36.024 cw(c13.701,35.874) 13.851,36.024 13.926,35.949 cw(c13.776,35.799) 13.926,35.649 13.863,35.587 13.801,35.524 ccw(c13.951,35.375) 13.801,35.225 13.876,35.15 ccw(c14.026,35.3) 14.176,35.15 14.238,35.212 14.3,35.274 cw(c14.45,35.124) 14.6,35.274 14.675,35.199 cw(c14.525,35.049) 14.675,34.899 14.613,34.837 14.551,34.775 ccw(c14.701,34.625) 14.551,34.475 14.626,34.4 ccw(c14.775,34.55) 14.925,34.4 cw(c14.988,34.338) 15.05,34.4 v1(15.175,34.275) ; v1(15.15,32.825) 15.6,32.375 17.075,32.375 23.55,25.9 23.55,20.725 25.75,18.525 25.75,14.725 27.154,13.321 27.154,12.973 v1(27.176,12.951)
SDRAM_A4: R30.1 U3.J3 | length 48.5
  Top Layer w0.13: v1(5.244,37.775) 5.338,37.775 5.69,38.127 5.925,37.892 R30.1@5.925,37.886 ; v1(27.15,14.175) 28.25,13.075 28.75,13.075 29.275,12.55 U3.J3@30.75,12.55
  Bottom Layer w0.13: v1(5.244,37.775) 8.706,37.775 12.881,33.6 15.275,33.6 15.528,33.6 cw(c15.528,33.512) 15.616,33.512 ccw(c15.828,33.512) 15.828,33.3 15.934,33.3 ccw(c15.934,33.512) 16.146,33.512 16.146,33.6 16.146,33.688 cw(c16.358,33.688) 16.358,33.9 16.464,33.9 cw(c16.464,33.688) 16.676,33.688 16.676,33.6 16.676,33.512 ccw(c16.888,33.512) 16.888,33.3 16.994,33.3 ccw(c16.994,33.512) 17.206,33.512 17.206,33.6 17.206,33.688 cw(c17.418,33.688) 17.418,33.9 17.524,33.9 cw(c17.524,33.688) 17.736,33.688 17.736,33.6 17.736,33.512 ccw(c17.948,33.512) 17.948,33.3 18.054,33.3 ccw(c18.054,33.512) 18.266,33.512 cw(c18.354,33.512) 18.354,33.6 18.531,33.6 22.653,29.478 22.902,29.229 ccw(c22.964,29.291) 23.027,29.229 cw(c23.177,29.079) 23.327,29.229 23.401,29.154 cw(c23.252,29.004) 23.401,28.854 23.339,28.792 23.277,28.729 ccw(c23.427,28.579) 23.277,28.43 23.352,28.355 ccw(c23.502,28.504) 23.652,28.355 23.714,28.417 23.776,28.479 cw(c23.926,28.329) 24.076,28.479 24.151,28.404 cw(c24.001,28.254) 24.151,28.104 24.089,28.042 24.027,27.98 ccw(c24.176,27.83) 24.027,27.68 24.102,27.605 ccw(c24.251,27.755) 24.401,27.605 24.464,27.667 24.526,27.73 cw(c24.676,27.58) 24.826,27.729 24.901,27.655 cw(c24.751,27.505) 24.901,27.355 24.838,27.293 24.776,27.23 ccw(c24.926,27.08) 24.776,26.93 24.851,26.856 ccw(c25.001,27.005) 25.151,26.856 25.213,26.918 25.275,26.98 cw(c25.425,26.83) 25.575,26.98 25.65,26.905 cw(c25.5,26.755) 25.65,26.605 25.588,26.543 25.526,26.481 ccw(c25.676,26.331) 25.526,26.181 25.601,26.106 ccw(c25.75,26.256) 25.9,26.106 cw(c25.963,26.044) 26.025,26.106 26.15,25.981 26.15,15.175 v1(27.15,14.175)
SDRAM_A5: R32.1 U3.J2 | length 48.5
  Top Layer w0.13: v1(5.5,36.075) 5.69,36.075 5.925,36.31 R32.1@5.925,36.316 ; v1(22.6,16.15) 26.625,16.15 28.95,13.825 30.375,13.825 31.55,12.65 U3.J2@31.55,12.55
  Bottom Layer w0.13: v1(5.5,36.075) 5.95,36.075 9.613,32.413 9.703,32.322 cw(c9.641,32.26) 9.703,32.198 ccw(c9.853,32.048) 9.703,31.898 9.778,31.823 ccw(c9.928,31.973) 10.078,31.823 10.14,31.885 10.202,31.947 cw(c10.352,31.797) 10.502,31.947 10.577,31.872 cw(c10.427,31.722) 10.577,31.572 10.515,31.51 10.453,31.448 ccw(c10.602,31.298) 10.453,31.148 10.527,31.073 ccw(c10.677,31.223) 10.827,31.073 10.889,31.136 10.952,31.198 cw(c11.102,31.048) 11.252,31.198 11.326,31.123 cw(c11.177,30.973) 11.326,30.823 11.264,30.761 11.202,30.699 ccw(c11.352,30.549) 11.202,30.399 11.277,30.324 ccw(c11.427,30.474) 11.577,30.324 11.639,30.386 11.701,30.448 cw(c11.851,30.298) 12.001,30.448 12.076,30.373 cw(c11.926,30.223) 12.076,30.073 12.014,30.011 11.952,29.949 ccw(c12.101,29.799) 11.952,29.649 12.027,29.574 ccw(c12.176,29.724) 12.326,29.574 12.389,29.636 12.451,29.699 cw(c12.601,29.549) 12.751,29.699 12.826,29.624 cw(c12.676,29.474) 12.826,29.324 12.763,29.262 12.701,29.199 ccw(c12.851,29.05) 12.701,28.9 12.776,28.825 ccw(c12.926,28.975) 13.076,28.825 13.138,28.887 13.2,28.949 cw(c13.35,28.799) 13.5,28.949 13.575,28.874 cw(c13.425,28.724) 13.575,28.574 13.513,28.512 13.451,28.45 ccw(c13.601,28.3) 13.451,28.15 13.526,28.075 ccw(c13.675,28.225) 13.825,28.075 cw(c13.888,28.013) 13.95,28.075 14.075,27.95 14.775,27.95 15.287,27.438 15.528,27.197 cw(c15.466,27.134) 15.528,27.072 ccw(c15.678,26.922) 15.528,26.772 15.603,26.697 ccw(c15.753,26.847) 15.903,26.697 15.965,26.76 16.028,26.822 cw(c16.178,26.672) 16.327,26.822 16.402,26.747 cw(c16.253,26.597) 16.402,26.447 16.34,26.385 16.305,26.35 ccw(c16.455,26.2) 16.305,26.05 16.38,25.975 ccw(c16.53,26.125) 16.68,25.975 16.715,26.01 16.777,26.072 cw(c16.927,25.922) 17.077,26.072 17.152,25.997 cw(c17.002,25.847) 17.152,25.698 17.09,25.635 17.027,25.573 ccw(c17.177,25.423) 17.027,25.273 17.102,25.198 ccw(c17.252,25.348) 17.402,25.198 17.464,25.261 17.527,25.323 cw(c17.677,25.173) 17.827,25.323 17.901,25.248 cw(c17.752,25.098) 17.901,24.948 17.839,24.886 17.777,24.824 ccw(c17.927,24.674) 17.777,24.524 17.852,24.449 ccw(c18.002,24.599) 18.152,24.449 18.214,24.511 18.276,24.573 cw(c18.426,24.423) 18.576,24.573 18.651,24.498 cw(c18.501,24.348) 18.651,24.198 18.589,24.136 18.527,24.074 ccw(c18.676,23.924) 18.527,23.774 18.602,23.699 ccw(c18.751,23.849) 18.901,23.699 18.964,23.761 19.026,23.824 cw(c19.176,23.674) 19.326,23.824 19.401,23.749 cw(c19.251,23.599) 19.401,23.449 19.338,23.387 19.276,23.324 ccw(c19.426,23.175) 19.276,23.025 19.351,22.95 ccw(c19.501,23.1) 19.651,22.95 19.713,23.012 19.775,23.074 cw(c19.925,22.924) 20.075,23.074 20.15,22.999 cw(c20,22.849) 20.15,22.699 20.088,22.637 20.026,22.575 ccw(c20.176,22.425) 20.026,22.275 20.101,22.2 ccw(c20.25,22.35) 20.4,22.2 cw(c20.463,22.138) 20.525,22.2 20.65,22.075 20.65,20.925 21.925,19.65 21.925,16.825 v1(22.6,16.15)
SDRAM_A6: R44.1 U3.H3 | length 50.1
  Top Layer w0.13: R44.1@8.939,18.375 9.05,18.264 v1(9.05,14.825) ; v1(30.2,11.175) 30.775,11.75 U3.H3@30.75,11.75
  Bottom Layer w0.13: v1(9.05,14.825) 9.05,12.425 9.087,12.388 ccw(c9.237,12.537) 9.387,12.388 9.439,12.439 cw(c9.588,12.289) 9.738,12.439 9.813,12.364 cw(c9.663,12.214) 9.813,12.064 9.612,11.863 9.411,11.662 ccw(c9.561,11.512) 9.411,11.362 9.486,11.287 ccw(c9.636,11.437) 9.786,11.287 9.987,11.488 10.188,11.689 cw(c10.338,11.539) 10.488,11.689 10.563,11.614 cw(c10.413,11.464) 10.563,11.314 10.362,11.113 10.161,10.912 ccw(c10.31,10.762) 10.161,10.612 10.236,10.537 ccw(c10.385,10.687) 10.535,10.537 10.736,10.739 10.938,10.94 cw(c11.087,10.79) 11.237,10.94 11.312,10.865 cw(c11.162,10.715) 11.312,10.565 11.111,10.364 10.91,10.163 ccw(c11.06,10.013) 10.91,9.863 10.985,9.788 ccw(c11.135,9.938) 11.285,9.788 11.486,9.989 11.687,10.19 cw(c11.837,10.04) 11.987,10.19 12.062,10.115 cw(c11.912,9.965) 12.062,9.815 11.861,9.614 11.66,9.413 ccw(c11.81,9.263) 11.66,9.113 11.735,9.038 ccw(c11.884,9.188) 12.034,9.038 12.236,9.239 12.437,9.441 cw(c12.587,9.291) 12.736,9.441 12.811,9.366 cw(c12.661,9.216) 12.811,9.066 12.61,8.865 12.409,8.664 ccw(c12.559,8.514) 12.409,8.364 12.484,8.289 ccw(c12.634,8.439) 12.784,8.289 12.985,8.49 13.186,8.691 cw(c13.336,8.541) 13.486,8.691 13.561,8.616 cw(c13.411,8.466) 13.561,8.316 13.36,8.115 13.159,7.914 ccw(c13.309,7.764) 13.159,7.614 13.234,7.539 ccw(c13.384,7.689) 13.533,7.539 13.735,7.74 13.936,7.942 cw(c14.086,7.792) 14.236,7.942 14.31,7.867 cw(c14.161,7.717) 14.31,7.567 14.109,7.366 13.908,7.165 ccw(c14.058,7.015) 13.908,6.865 13.983,6.79 ccw(c14.133,6.94) 14.283,6.79 14.484,6.991 14.685,7.192 cw(c14.835,7.042) 14.985,7.192 15.06,7.117 cw(c14.91,6.967) 15.06,6.817 14.859,6.616 14.658,6.415 ccw(c14.808,6.265) 14.658,6.115 14.733,6.04 ccw(c14.883,6.19) 15.033,6.04 15.084,6.091 cw(c15.234,5.942) 15.384,6.091 15.912,5.563 17.275,4.2 28.375,4.2 30.2,6.025 v1(30.2,11.175)